# Altium PCB Science-Rev02 - reroute.PcbDoc (continued)
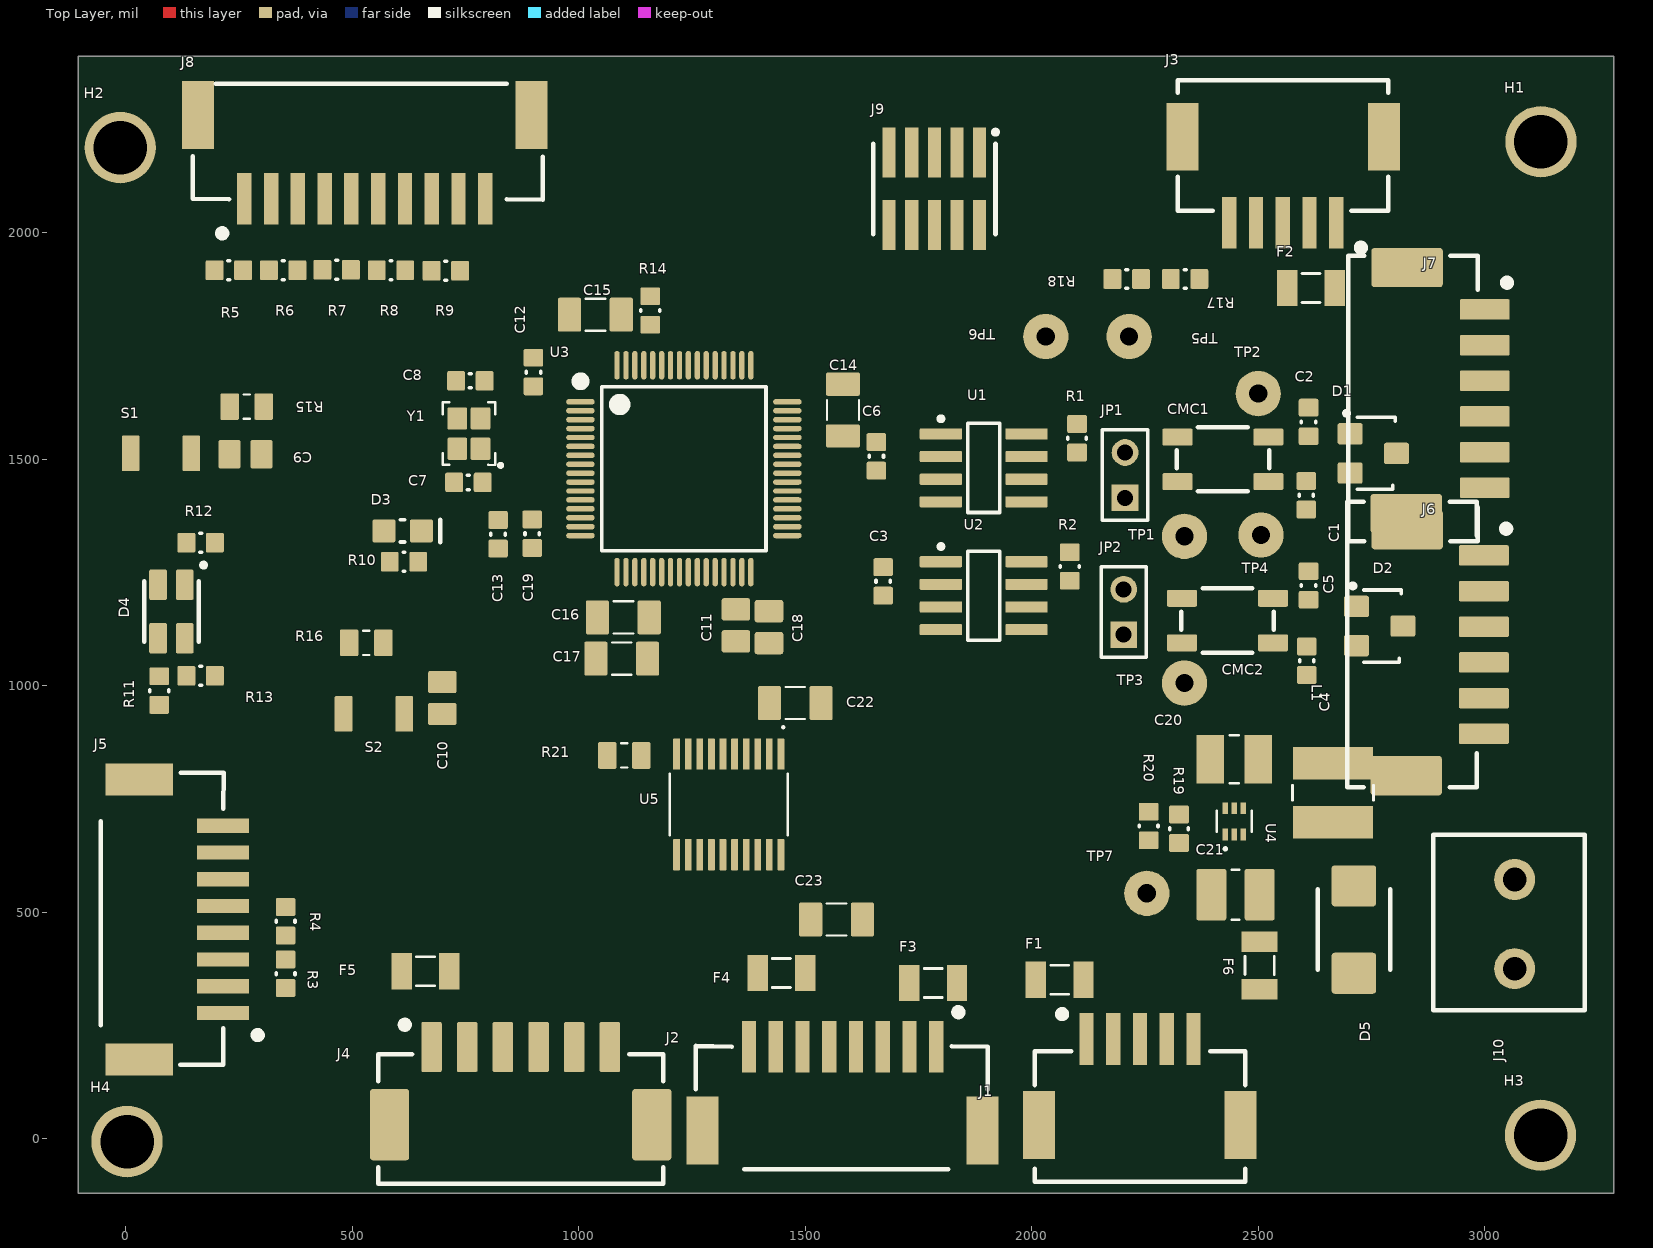
[diagram p0: Top Layer view]
## Part data (continued)
C14 C15 C16 C17 C22 C23: "CAP CER 0.1UF 100V C0G/NP0 1206", Capacitance=0.1uF, Dielectric=C0G, Manufacturer=Murata, Manufacturer Part Number=GRM31C5C2A104JA01L, Supplier Part Number 1=490-16315-1-ND, Tolerance=5%, Voltage Rating (DC)=100V, Category="Ceramic Capacitors", ComponentLink1Description=https://psearch.en.murata.com:443/capacitor/product/GRM31C5C2A104JA01%23.pdf?src-supplier=IHS+Markit, ComponentLink1URL=https://psearch.en.murata.com:443/capacitor/product/GRM31C5C2A104JA01%23.pdf?src-supplier=IHS+Markit, ComponentLink2Description=https://search.murata.co.jp/Ceramy/image/img/A01X/G101/ENG/GRM31C5C2A104JA01-01.pdf?src-supplier=Digi-Key, ComponentLink2URL=https://search.murata.co.jp/Ceramy/image/img/A01X/G101/ENG/GRM31C5C2A104JA01-01.pdf?src-supplier=Digi-Key, ComponentLink3Description=http://search.murata.co.jp/Ceramy/image/img/A01X/G101/ENG/GRM31C5C2A104JA01-01.pdf?src-supplier=Digi-Key, ComponentLink3URL=http://search.murata.co.jp/Ceramy/image/img/A01X/G101/ENG/GRM31C5C2A104JA01-01.pdf?src-supplier=Digi-Key, Length=3.2mm, Pricing 1="1=0.69000, 10=0.48900, 50=0.36940, 100=0.32180, 500=0.23838, 1000=0.20261 (USD)", RoHS=No, Stock 1=18337, Supplier 1=Digi-Key, Thickness=1.6mm, Width=1.6mm
C19: "CAP CER 10000PF 16V X7R 0603", Case Code (Imperial)=0603, Case Code (Metric)=1608, Dielectric=X7R, Manufacturer 1=Yageo, Manufacturer Part Number 1=CC0603KRX7R7BB103, Package="0603 (1608 Metric)", Supplier Part Number 1=311-3369-1-ND, Voltage Rating=16V, Dimensions="0.063\" L x 0.031\" W (1.60mm x 0.80mm)", Mount="Surface Mount", Supplier 1=Digi-Key, Temperature Coefficient=X7R
C20: "CAP CER 22UF 25V X7R 1210", Capacitance=22uF, Manufacturer 1="Murata Electronics", Package="1210 (3225 Metric)", Supplier Part Number 1=490-14682-1-ND, Tolerance=±20%, Voltage=25V, Manufacturer Part Number 1=GRM32ER71E226ME15K, Supplier 1=Digi-Key
C21: "CAP CER 4.7UF 25V X8L 1210", Case Code (Imperial)=1210, Case Code (Metric)=3225, Dielectric=X8L, Manufacturer 1="Murata Electronics", Manufacturer Part Number 1=GCJ32EL81E475KA01L, Max Operating Temperature=150°C, Min Operating Temperature=-55°C, Package="1210 (3225 Metric)", Supplier Part Number 1=490-16465-1-ND, Tolerance=10%, Voltage Rating=25V, Mount="Surface Mount", Supplier 1=Digi-Key
CMC1 CMC2: "CMC 51uH 300MA 2LN SMD", Case/Package=SMD/SMT, Current=300mA, DC Resistance (DCR)=160mR, Inductance=51uH, Inductance Tolerance=50%, Manufacturer 1="Wurth Electronics", Manufacturer Part Number 1=744212510, Max Operating Temperature=105°C, Min Operating Temperature=-40°C, Supplier Part Number 1=732-3941-1-ND, Test Frequency=100kHz, Voltage Rating (DC)=80V, ComponentLink7Description=https://datasheet.ciiva.com/6216/744212510-6216348.pdf?src-supplier=Digi-Key, ComponentLink7URL=https://datasheet.ciiva.com/6216/744212510-6216348.pdf?src-supplier=Digi-Key, ComponentLink8Description=https://datasheet.ciiva.com/7764/1735560-7764951.pdf?src-supplier=Element14, ComponentLink8URL=https://datasheet.ciiva.com/7764/1735560-7764951.pdf?src-supplier=Element14, Core Material=Ferrite, Current Rating=300mA, Depth=3.6mm, Height=1.65mm, Impedance=300R, Length=6.5mm, Max DC Current=300mA, Mount="Surface Mount", Number of Lines=2, Number of Pins=4, REACH SVHC="No SVHC", Supplier 1=Digi-Key, Termination=SMD/SMT, Tolerance=50%, Width=0.142inch
D1 D2: "TVS DIODE 24V 41V SOT323-3", Manufacturer 1="Nexperia USA Inc.", Manufacturer Part Number 1=PESD2CAN,215, Package="SC-70, SOT-323", Supplier Part Number 1=1727-3891-1-ND, Mount="Surface Mount", Supplier 1=Digi-Key
D3: library part DIO_LED_G, "LED GREEN DIFFUSED 0805 SMD", Forward Voltage Drop=2.2V, Manufacturer 1=OSRAM, Package="0805 (2012 Metric)", Supplier Part Number 1=475-1410-1-ND, Manufacturer Part Number 1="LG R971-KN-1", Mount="Surface Mount", Supplier 1=Digi-Key
D4: "LED RGB DIFFUSED 4PLCC SMD", Case/Package=PLCC, Color=Blue,Green,Red, Forward Voltage=3.1V, Lens Color=White, Manufacturer 1=Broadcom, Manufacturer Part Number 1=ASMB-MTB1-0A3A2, Supplier Part Number 1=516-3280-1-ND, Test Current=20mA, ComponentLink1Description=http://www.farnell.com/datasheets/2111106.pdf?src-supplier=Farnell, ComponentLink1URL=http://www.farnell.com/datasheets/2111106.pdf?src-supplier=Farnell, ComponentLink2Description=https://docs.broadcom.com/docs/AV02-4194EN?src-supplier=Digi-Key, ComponentLink2URL=https://docs.broadcom.com/docs/AV02-4194EN?src-supplier=Digi-Key, ComponentLink3Description=http://www.farnell.com/datasheets/1801564.pdf?src-supplier=Element14, ComponentLink3URL=http://www.farnell.com/datasheets/1801564.pdf?src-supplier=Element14, ComponentLink4Description=http://www.farnell.com/datasheets/2111106.pdf?src-supplier=Newark, ComponentLink4URL=http://www.farnell.com/datasheets/2111106.pdf?src-supplier=Newark, Dominant Wavelength=470nm, Height=1.9mm, Length=3.2mm, Lens Style=Round, Lens Transparency=Diffused, Luminous Intensity=350mcd, Mount="Surface Mount", Number of Pins=4, Packaging="Cut Tape", Pricing 1="1=0.60000, 10=0.47100, 100=0.30210, 500=0.25980, 1000=0.20059 (USD)", REACH SVHC="No SVHC", RoHS=Yes, Stock 1=142531, Supplier 1=Digi-Key, Viewing Angle=115°, Width=2.8mm
D5: "TVS DIODE 5V 9.2V DO214AA", Breakdown Voltage=7.25V, Case/Package=SMB, Clamping Voltage=9.2V, Leakage Current=800uA, Manufacturer 1=Bourns, Manufacturer Part Number 1=SMBJ5.0A, Max Operating Temperature=150°C, Max Power Dissipation=600W, Max Surge Current=100A, Min Breakdown Voltage=6.4V, Min Operating Temperature=-55°C, Operating Supply Voltage=3.5V, Package Quantity=1, Peak Pulse Current=65.2A, Power Line Protection=No, Reverse Standoff Voltage=5V, Supplier Part Number 1=SMBJ5.0ABCT-ND, Test Current=10mA, ComponentLink1Description=https://datasheet.ciiva.com/25624/0900766b81122151-25624859.pdf?src-supplier=RSComponents, ComponentLink1URL=https://datasheet.ciiva.com/25624/0900766b81122151-25624859.pdf?src-supplier=RSComponents, ComponentLink2Description=https://datasheet.ciiva.com/5749/1677318-5749456.pdf?src-supplier=Farnell, ComponentLink2URL=https://datasheet.ciiva.com/5749/1677318-5749456.pdf?src-supplier=Farnell, ComponentLink3Description=https://datasheet.ciiva.com/334/smbj-334066.pdf?src-supplier=Digi-Key, ComponentLink3URL=https://datasheet.ciiva.com/334/smbj-334066.pdf?src-supplier=Digi-Key, ComponentLink4Description=https://datasheet.ciiva.com/17413/smbj-17413462.pdf?src-supplier=Avnet+Europe, ComponentLink4URL=https://datasheet.ciiva.com/17413/smbj-17413462.pdf?src-supplier=Avnet+Europe, ComponentLink5Description=https://datasheet.ciiva.com/3021/smbj-3021451.pdf?src-supplier=Avnet, ComponentLink5URL=https://datasheet.ciiva.com/3021/smbj-3021451.pdf?src-supplier=Avnet, ComponentLink6Description=https://datasheet.ciiva.com/3021/smbj-3021452.pdf?src-supplier=Avnet, ComponentLink6URL=https://datasheet.ciiva.com/3021/smbj-3021452.pdf?src-supplier=Avnet, ComponentLink8Description=https://datasheet.ciiva.com/30094/smbj-30094061.pdf?src-supplier=Onlinecomponents.com, ComponentLink8URL=https://datasheet.ciiva.com/30094/smbj-30094061.pdf?src-supplier=Onlinecomponents.com, ComponentLink9Description=https://datasheet.ciiva.com/334/smbj-334064.pdf?src-supplier=Digi-Key, ComponentLink9URL=https://datasheet.ciiva.com/334/smbj-334064.pdf?src-supplier=Digi-Key, ComponentLink10Description=https://datasheet.ciiva.com/334/smbj-334065.pdf?src-supplier=Digi-Key, ComponentLink10URL=https://datasheet.ciiva.com/334/smbj-334065.pdf?src-supplier=Digi-Key, ComponentLink11Description=https://datasheet.ciiva.com/4510/smbj-51809-4510005.pdf?src-supplier=Mouser, ComponentLink11URL=https://datasheet.ciiva.com/4510/smbj-51809-4510005.pdf?src-supplier=Mouser, ComponentLink12Description=https://datasheet.ciiva.com/8031/1677318-8031160.pdf?src-supplier=Element14, ComponentLink12URL=https://datasheet.ciiva.com/8031/1677318-8031160.pdf?src-supplier=Element14, ComponentLink13Description=https://datasheet.ciiva.com/48712/001056320-da-01-en-tvs-diode-smbj5-0a-do-214aa-bou-48712572.pdf?src-supplier=Conrad, ComponentLink13URL=https://datasheet.ciiva.com/48712/001056320-da-01-en-tvs-diode-smbj5-0a-do-214aa-bou-48712572.pdf?src-supplier=Conrad, Composition=Zener, Direction=Unidirectional, Element Configuration=Single, ESD Protection=Yes, Height=2.42mm, Length=4.57mm, Max Breakdown Voltage=7.25V, Max Reverse Leakage Current=800uA, Mount="Surface Mount", Number of Channels=1, Number of Elements=1, Number of Pins=2, Number of Unidirectional Channels=1, Packaging="Tape and Reel", Peak Pulse Power=600W, Polarity=Unidirectional, Pricing 1="1=0.39000, 10=0.29300, 25=0.26440, 100=0.13950, 250=0.13804, 500=0.12362, 1000=0.09620 (USD)", Radiation Hardening=No, REACH SVHC="No SVHC", Reverse Breakdown Voltage=6.4V, RoHS=Yes, Stock 1=3797, Supplier 1=Digi-Key, Termination=SMD/SMT, Width=3.94mm
F1 F2 F5: "FUSE SMD 250mA 125V", Case Code (Imperial)=1206, Case Code (Metric)=3216, Current=250mA, DC Cold Resistance=31mR, Fuse Current=15A, Manufacturer 1=Littelfuse, Manufacturer Part Number 1=0466.250NR, Manufacturer Part Number 2=0324015.HXP, Max Operating Temperature=90°C, Min Operating Temperature=-55°C, Power Dissipation=157.5mW, Resistance=5.05mR, Supplier Part Number 1=F1452CT-ND, Voltage Rating (AC)=125V, Working Voltage=250V, Approvals=UL,CSA, Case/Package=1206, Current Rating=250mA, Depth=1.52mm, Diameter=6.985mm, Fuse Type="Board Mount (Cartridge Style Excluded)", Height=0.023inch, Housing Material=Ceramic, Length=3.18mm, Manufacturer 2=Littelfuse, Mount="Surface Mount", Pricing 2="1=1.74000, 5=1.65600, 10=1.57300, 50=1.26960, 100=1.07640, 250=1.04880, 500=0.88320, 1000=0.78660, 5000=0.69000 (USD)", REACH SVHC=Unknown, Stock 2=64, Supplier 1=Digi-Key, Supplier 2=Digi-Key, Supplier Part Number 2=F1870-ND, Termination=Axial, Voltage Rating (DC)=125V, Width=0.06inch
F3 F4: "FUSE SMD 1.5A 63V", Case Code (Imperial)=1206, Case Code (Metric)=3216, Current=1.5A, DC Cold Resistance=31mR, Manufacturer 1=Littelfuse, Manufacturer Part Number 1=046601.5NR, Max Operating Temperature=90°C, Min Operating Temperature=-55°C, Power Dissipation=157.5mW, Supplier Part Number 1=F1462CT-ND, Voltage Rating (AC)=63V, Approvals=UL,CSA, Case/Package=1206, Current Rating=1.5A, Depth=1.52mm, Fuse Type="Board Mount (Cartridge Style Excluded)", Height=0.023inch, Housing Material=Ceramic, Length=3.18mm, Mount="Surface Mount", Supplier 1=Digi-Key, Voltage Rating (DC)=63V, Width=0.06inch
F6: "FUSE SMD 2A 63V", Case Code (Imperial)=1206, Case Code (Metric)=3216, Current=2A, DC Cold Resistance=31mR, Manufacturer 1=Littelfuse, Manufacturer Part Number 1=0466002.NRHF, Max Operating Temperature=90°C, Min Operating Temperature=-55°C, Power Dissipation=157.5mW, Supplier Part Number 1=F5696CT-ND, Voltage Rating (AC)=63V, Approvals=UL,CSA, Case/Package=1206, Current Rating=2A, Depth=1.52mm, Fuse Type="Board Mount (Cartridge Style Excluded)", Height=0.023inch, Housing Material=Ceramic, Length=3.18mm, Mount="Surface Mount", Supplier 1=Digi-Key, Voltage Rating (DC)=63V, Width=0.06inch
H1 H2 H3 H4: "6cm x 6cm"
J1 J3: "CONN HEADER SMD RIGHT ANGLE 1.5MM PITCH", Current Rating=2A, Manufacturer 1=Molex, Manufacturer Part Number 1=5025850570, Supplier Part Number 1=WM14469CT-ND, Connector Type="Receptacle,Center Strip Contact", Mount="Surface Mount", Number of Circuits=5, Number of Contacts=5, Number of Positions=5, Number of Rows=1, Orientation="Right Angle", Supplier 1=Digi-Key, Termination=Solder
J2 J5: "CONN HEADER SMD RIGHT ANGLE 1.5 MM PITCH", Case/Package=SIL, Color=Beige, Contact Resistance=20mR, Current Rating=2A, Manufacturer=Molex, Manufacturer Part Number=5025850870, Max Operating Temperature=85°C, Min Operating Temperature=-40°C, Supplier Part Number 1=WM14471CT-ND, Voltage Rating=100V, Category="Headers and Wire Housings", Connector Type="Receptacle,Center Strip Contact", Contact Gender=Female, Contact Material="Copper,Copper Alloy,Tin", Contact Plating=Tin, Depth=7.3mm, Fastening Type=Latch, Gender=Receptacle, Glow Wire Compliant=Non-compliant, Housing Color=Beige, Housing Material=Resin, Length=16.3mm, Mount="Surface Mount", Number of Circuits=8, Number of Contacts=8, Number of Positions=8, Number of Rows=1, Orientation="Right Angle", Pitch=1.5mm, REACH SVHC=Unknown, Supplier 1=Digi-Key, Termination=Solder
J4 J6 J7: "CONN HEADER SMD RIGHT ANGLE 2MM PITCH", Color=Natural, Current Rating=3A, Flammability Rating="UL94 V-0", Insulation Resistance=1GR, Manufacturer 1=Molex, Manufacturer Part Number 1=502494-0670, Max Operating Temperature=85°C, Max Voltage Rating (AC)=250V, Min Operating Temperature=-25°C, Supplier Part Number 1=WM2283CT-ND, ComponentLink7Description=https://datasheet.ciiva.com/30242/101355024940670-pcb-receptacles-30242550.pdf?src-supplier=Onlinecomponents.com, ComponentLink7URL=https://datasheet.ciiva.com/30242/101355024940670-pcb-receptacles-30242550.pdf?src-supplier=Onlinecomponents.com, ComponentLink8Description=https://datasheet.ciiva.com/755/5024940670-sd-755789.pdf?src-supplier=Digi-Key, ComponentLink8URL=https://datasheet.ciiva.com/755/5024940670-sd-755789.pdf?src-supplier=Digi-Key, Connector Type=Receptacle,Forked, Contact Gender=Female, Contact Material="Copper Alloy", Contact Plating=Tin, Depth=6.85mm, Fastening Type=Latch, Gender=Receptacle, Glow Wire Compliant=Non-compliant, Housing Color=Natural, Housing Material=PBT, Length=16mm, Material=Polybutylene, Max Voltage Rating (DC)=250V, Mount="Surface Mount", Number of Circuits=6, Number of Contacts=6, Number of Positions=6, Number of Rows=1, Orientation="Right Angle", Pitch=2mm, REACH SVHC=Unknown, Supplier 1=Digi-Key, Termination=Solder, Voltage Rating=250V
J8: "CONN HEADER SMD RIGHT ANGLE 1.5 MM PITCH", Case/Package=SIL, Color=Beige, Contact Resistance=20mR, Current Rating=2A, Manufacturer 1=Molex, Manufacturer Part Number 1=502585-1070, Max Operating Temperature=85°C, Min Operating Temperature=-40°C, Supplier Part Number 1=WM14472CT-ND, Voltage Rating=100V, Connector Type="Receptacle,Center Strip Contact", Contact Gender=Female, Contact Material="Copper Alloy,Copper,Tin", Contact Plating=Tin, Depth=7.3mm, Fastening Type=Latch, Gender=Receptacle, Glow Wire Compliant=Non-compliant, Housing Color=Beige, Housing Material=Resin, Length=19.3mm, Mount="Surface Mount", Number of Circuits=10, Number of Contacts=10, Number of Positions=10, Number of Rows=1, Orientation="Right Angle", Pitch=1.5mm, REACH SVHC=Unknown, Supplier 1=Digi-Key, Termination=Solder
J9: "Board Connector, 10 Contact(s), 2 Row(s), Male, Straight, 0.05 inch Pitch, Surface Mount Terminal, Locking", Color=Black, Manufacturer 1=Samtec, Manufacturer Part Number 1=FTSH-105-01-F-DV-K, Max Current Rating=1.75A, Max Operating Temperature=125°C, Min Operating Temperature=-55°C, Package Quantity=1, Supplier Part Number 1=SAM8796-ND, Category="Headers and Wire Housings", ComponentLink1Description=https://datasheet.ciiva.com:443/pdfs/VipMasterIC/IC/SAMI/SAMI-S-A0003531380/SAMI-S-A0003531380-1.pdf?src-supplier=IHS+Markit, ComponentLink1URL=https://datasheet.ciiva.com:443/pdfs/VipMasterIC/IC/SAMI/SAMI-S-A0003531380/SAMI-S-A0003531380-1.pdf?src-supplier=IHS+Markit, ComponentLink2Description=https://datasheet.ciiva.com/19461/2046846-19461026.pdf?src-supplier=Jameco, ComponentLink2URL=https://datasheet.ciiva.com/19461/2046846-19461026.pdf?src-supplier=Jameco, ComponentLink3Description=https://datasheet.ciiva.com/16657/ftsh-mt-16657371.pdf?src-supplier=Avnet+Europe, ComponentLink3URL=https://datasheet.ciiva.com/16657/ftsh-mt-16657371.pdf?src-supplier=Avnet+Europe, ComponentLink4Description=https://datasheet.ciiva.com/15195/getdatasheetpartid-133463-15195260.pdf?src-supplier=Verical, ComponentLink4URL=https://datasheet.ciiva.com/15195/getdatasheetpartid-133463-15195260.pdf?src-supplier=Verical, ComponentLink5Description=https://datasheet.ciiva.com/738/ftsh-1xx-xx-xxx-dv-xxx-mkt-738998.pdf?src-supplier=Digi-Key, ComponentLink5URL=https://datasheet.ciiva.com/738/ftsh-1xx-xx-xxx-dv-xxx-mkt-738998.pdf?src-supplier=Digi-Key, ComponentLink6Description=https://datasheet.ciiva.com/10245/ftsh-mt-10245273.pdf?src-supplier=Avnet, ComponentLink6URL=https://datasheet.ciiva.com/10245/ftsh-mt-10245273.pdf?src-supplier=Avnet, Connector Type="Male Pin", Contact Material=Copper,Bronze, Contact Mating Length=0.12inch, Contact Plating=Gold, Depth=3.43mm, Height=3.3mm, Housing Color=Black, Housing Material=Polymer, Lead Free="Lead Free", Length=15.2mm, Mount="Surface Mount", Number of Contacts=10, Number of Positions=10, Number of Rows=2, Orientation=Straight, Packaging=Rail/Tube, Pitch=1.27mm, Pricing 1="1=2.90000, 10=2.78400, 100=2.32000, 500=1.97200, 1000=1.68200, 5000=1.50800 (USD)", Radiation Hardening=No, RoHS=Yes, Row Spacing=0.05inch, Stock 1=19926, Supplier 1=Digi-Key, Termination=Solder
J10: library part CON_2M_TERM, "TERM BLK 2POS SIDE ENTRY 5MM", Color=Green, Current=18A, Current Rating=17.5A, Flammability Rating="UL94 V-0", Manufacturer 1="Phoenix Contact", Max Current Rating=16A, Max Supply Voltage=250V, Supplier Part Number 1=277-1667-ND, Voltage=300V, Voltage Rating (DC)=320V, Approvals=UL, Connector Type=Screw, Contact Material=Copper,Tin, Depth=9mm, Height=11.3mm, Housing Color=Green, Housing Material=Polyamide, Insulation Material=Nylon, Length=9mm, Manufacturer Part Number 1=1935161, Material=Nylon, Mount="Through Hole", Number of Circuits=2, Number of Contacts=2, Number of Levels=1, Number of Pins=2, Number of Poles=2, Number of Positions=2, Number of Positions Per Level=2, Number of Rows=1, Orientation=Straight, Pitch=5mm, REACH SVHC=Unknown, Supplier 1=Digi-Key, Termination=Solder, Voltage Rating=250V, Weight=0.067021oz, Width=14.9mm, Wire Gauge (Max)=26AWG, Wire Gauge (Min)=12AWG, Wire/Cable Gauge=26AWG
JP1 JP2: "HEADER 2X1", Manufacturer 1="TE Connectivity", Manufacturer Part Number 1=87220-2, Supplier Part Number 1=A26542-ND, Mount="Through Hole", Supplier 1=Digi-Key
L1: "FIXED IND 1UH 3.8A 33 MOHM SMD", Current Rating=3.8A, Manufacturer 1="Bourns Inc.", Manufacturer Part Number 1=SDR0403-1R0ML, Supplier Part Number 1=SDR0403-1R0MLCT-ND, Tolerance=±20%, Supplier 1=Digi-Key
R1 R2 R10 R12: "RES SMD 120 OHM 5% 1/10W 0603", Case Code (Imperial)=0603, Case Code (Metric)=1608, Manufacturer 1=Yageo, Manufacturer Part Number 1=RC0603JR-07120RL, Package="0603 (1608 Metric)", Supplier Part Number 1=311-120GRCT-ND, Tolerance=5%, Dimensions="0.063\" L x 0.031\" W (1.60mm x 0.80mm)", Mount="Surface Mount", Supplier 1=Digi-Key
R3 R4 R5 R6 R7 R8 R9: "RES SMD 10K OHM 5% 1/10W 0603", Case Code (Imperial)=0603, Case Code (Metric)=1608, Manufacturer 1=Yageo, Manufacturer Part Number 1=RC0603JR-0710KL, Package="0603 (1608 Metric)", Supplier Part Number 1=311-10KGRCT-ND, Tolerance=5%, Dimensions="0.063\" L x 0.031\" W (1.60mm x 0.80mm)", Mount="Surface Mount", Supplier 1=Digi-Key
R11 R13: "RES SMD 20 OHM 5% 1/10W 0603", Case Code (Imperial)=0603, Case Code (Metric)=1608, Manufacturer 1=Yageo, Manufacturer Part Number 1=RC0603JR-0720RL, Package="0603 (1608 Metric)", Supplier Part Number 1=311-20GRCT-ND, Tolerance=5%, Dimensions="0.063\" L x 0.031\" W (1.60mm x 0.80mm)", Mount="Surface Mount", Supplier 1=Digi-Key
R14 R17 R18: "RES SMD 1K OHM 5% 1/10W 0603", Case Code (Imperial)=0603, Case Code (Metric)=1608, Manufacturer 1=Yageo, Manufacturer Part Number 1=RC0603JR-071KL, Package="0603 (1608 Metric)", Supplier Part Number 1=311-1.0KGRCT-ND, Tolerance=5%, Dimensions="0.063\" L x 0.031\" W (1.60mm x 0.80mm)", Mount="Surface Mount", Supplier 1=Digi-Key
R15 R16: "RES SMD 10K OHM 1% 1/8W 0805", Case Code (Imperial)=0805, Case Code (Metric)=2012, Manufacturer 1=Yageo, Manufacturer Part Number 1=RC0805FR-0710KL, Max Operating Temperature=155°C, Min Operating Temperature=-55°C, Package="0805 (2012 Metric)", Power Rating=125mW, Resistance=10K, Supplier Part Number 1=311-10.0KCRCT-ND, Tolerance=1%, Supplier 1=Digi-Key, Termination=SMD/SMT
R19: "RES SMD 453K OHM 1% 1/10W 0603", Case Code (Imperial)=0603, Case Code (Metric)=1608, Manufacturer 1="Panasonic Electronic Components", Manufacturer Part Number 1=ERJ-3EKF4533V, Package="0603 (1608 Metric)", Supplier Part Number 1=P453KHCT-ND, Tolerance=1%, Dimensions="0.063\" L x 0.031\" W (1.60mm x 0.80mm)", Mount="Surface Mount", Supplier 1=Digi-Key
R20: "RES SMD 100K OHM 1% 1/10W 0603", Case Code (Imperial)=0603, Case Code (Metric)=1608, Case/Package=0805, Manufacturer 1=Yageo, Manufacturer 2=Vishay, Manufacturer Part Number 1=RC0603FR-07100KL, Manufacturer Part Number 2=CRCW080510K2FKEA, Max Operating Temperature=155°C, Max Power Dissipation=125mW, Min Operating Temperature=-55°C, Package="0603 (1608 Metric)", Resistance=10.2kR, Supplier Part Number 1=311-100KHRCT-ND, Temperature Coefficient=100ppm/°C, Tolerance=1%, Voltage Rating=150V, ComponentLink7Description=https://datasheet.ciiva.com/22702/1697337-22702902.pdf?src-supplier=Element14, ComponentLink7URL=https://datasheet.ciiva.com/22702/1697337-22702902.pdf?src-supplier=Element14, ComponentLink8Description=https://datasheet.ciiva.com/16204/dcrcwe3-16204135.pdf?src-supplier=Future+Electronics, ComponentLink8URL=https://datasheet.ciiva.com/16204/dcrcwe3-16204135.pdf?src-supplier=Future+Electronics, ComponentLink9Description=https://datasheet.ciiva.com/16852/dcrcwe3-16852825.pdf?src-supplier=Avnet+Europe, ComponentLink9URL=https://datasheet.ciiva.com/16852/dcrcwe3-16852825.pdf?src-supplier=Avnet+Europe, ComponentLink10Description=https://datasheet.ciiva.com/7663/1697337-7663915.pdf?src-supplier=Element14, ComponentLink10URL=https://datasheet.ciiva.com/7663/1697337-7663915.pdf?src-supplier=Element14, ComponentLink11Description=https://datasheet.ciiva.com/7663/1697337-7663916.pdf?src-supplier=Element14, ComponentLink11URL=https://datasheet.ciiva.com/7663/1697337-7663916.pdf?src-supplier=Element14, ComponentLink12Description=https://datasheet.ciiva.com/22674/1825492-22674606.pdf?src-supplier=Element14, ComponentLink12URL=https://datasheet.ciiva.com/22674/1825492-22674606.pdf?src-supplier=Element14, ComponentLink13Description=https://datasheet.ciiva.com/3258/dcrcwe3-3258031.pdf?src-supplier=Avnet, ComponentLink13URL=https://datasheet.ciiva.com/3258/dcrcwe3-3258031.pdf?src-supplier=Avnet, Composition="Thick Film", Contact Plating=Tin, Depth=1.25mm, Dimensions="0.063\" L x 0.031\" W (1.60mm x 0.80mm)", Features="Automotive AEC-Q200", Height=0.45mm, Length=2mm, Military Standard=Not, Mount="Surface Mount", Number of Pins=2, Number of Terminations=2, Power Rating=125mW, Pricing 2="1=0.10000, 10=0.06200, 100=0.02540, 1000=0.01142, 2500=0.00991 (USD)", REACH SVHC=Unknown, Stock 2=7147, Supplier 1=Digi-Key, Supplier 2=Digi-Key, Supplier Part Number 2=541-10.2KCCT-ND, Termination=SMD/SMT, Voltage Rating (DC)=150V, Weight=0.000194oz, Width=0.049inch, Working Voltage=150V
R21: "RES SMD 4.7K OHM 5% 1/8W 0805", Case Code (Imperial)=0805, Case Code (Metric)=2012, Manufacturer 1=Yageo, Manufacturer Part Number 1=RC0805JR-074K7L, Max Operating Temperature=155°C, Min Operating Temperature=-55°C, Package="0805 (2012 Metric)", Power Rating=125mW, Resistance=4.7kR, Supplier Part Number 1=311-4.7KARCT-ND, Temperature Coefficient=100ppm/°C, Tolerance=5%, Voltage Rating=150V, Composition="Thick Film", Contact Plating=Tin,Lead,Matte, Depth=1.25mm, Length=2mm, Military Standard=Not, Mount="Surface Mount", REACH SVHC=Unknown, Supplier 1=Digi-Key, Termination=SMD/SMT
S1 S2: "Tactile Switch (Grey)", Manufacturer 1="Omron Electronics Inc-EMC Div", Manufacturer Part Number 1=B3U-1000P, Supplier Part Number 1=SW1020CT-ND, Mount="Surface Mount", Supplier 1=Digi-Key
TP1 TP2 TP3 TP4 TP5 TP6 TP7: "PC TEST POINT MINIATURE WHITE", Manufacturer 1="Keystone Electronics", Manufacturer Part Number 1=5002, Supplier Part Number 1=36-5002-ND, Mount="Through Hole", Supplier 1=Digi-Key
U1 U2: library part LTC2875, "IC TXRX CAN 4MBPS 8SO", Manufacturer 1="Linear Technologies", Manufacturer Part Number 1=LTC2875IS8#PBF, Package="8-SOIC (0.154\", 3.90mm Width)", Supplier Part Number 1=LTC2875IS8#PBF-ND, ComponentLink1Description=Datasheet, ComponentLink1URL=https://www.analog.com/media/en/technical-documentation/data-sheets/2875f.pdf, Mount="Surface Mount", Supplier 1=Digi-Key
U3: library part MCU_STM32F446RET6, "ARM Cortex-M4 32-bit MCU+FPU, 512 KB Flash, 128 KB Internal RAM, 50 I/Os, 64-Pin LQFP, -40 to 85 degC, Tray", I/Os (High Current)=50, Operating Frequency(F) (Processor speed) (MHz)=180, Package Description=LQFP64, Package Reference="64-Pin Low-profile Quad Flat Package, Body 10 x 10 mm, Pitch 0.5 mm", Supplier Part Number 1=497-15376-ND, Supply Voltage(Vcc) min (V)=1.7, ComponentLink1Description="Manufacturer URL", ComponentLink1URL=http://www.st.com/, ComponentLink2Description=Datasheet, ComponentLink2URL=http://www.st.com/st-web-ui/static/active/en/resource/technical/document/datasheet/DM00141306.pdf, Core="ARM Cortex-M4", D/A Converter=2, DatasheetVersion="Rev. 6", FLASH Size (Prog) (kB)=512, Internal RAM Size (kB)=128, Mounting Technology="Surface Mount", Packing=Tray, Supplier 1=Digi-Key
U4: "IC REG BUCK ADJUSTABLE 2A SOT563", Manufacturer 1="Texas Instruments", Package="SOT-563, SOT-666", Supplier Part Number 1=296-50407-1-ND, Switching Frequency=1.5MHz, Iout=1A, Iout (Max)=2A, Manufacturer Part Number 1=TLV62568ADRLR, Supplier 1=Digi-Key, Vin (Max)=5.5V, Vin (Min)=2.5V, Vout (Max)=5.5V, Vout (Min/Fixed)=0.6V
U5: library part IC_LVL_SHIFTER_8_CH, "IC BIDIRECTIONAL LEVEL SHIFTER 8 CHANNEL 20TSSOP", Supplier Part Number 1=296-23011-2-ND, ComponentLink1Description="New link", Manufacturing Part Number=TXS0108EPWR, Supplier 1=Digi-Key
Y1: "CRYSTAL 25.0000MHZ 12PF SMD", Case/Package=SMD/SMT, ESR (Equivalent Series Resistance)=80R, Frequency=25MHz, Frequency Stability=15ppm, Frequency Tolerance=10ppm, Load Capacitance=12pF, Manufacturer 1="Kyocera AVX", Manufacturer Part Number 1=CX2520DB25000H0FLJC1, Max Operating Temperature=85°C, Min Operating Temperature=-30°C, Ratings=AEC-Q200, Supplier Part Number 1=1253-1724-1-ND, Height=0.022inch, Length=0.098inch, Mount="Surface Mount", Supplier 1=Digi-Key, Width=0.079inch

## Nets (pads, with @x,y where several pads share a name; then routed paths per layer and width w, separated by ;. In a path a pad name is that pad's centre, name@x,y a point inside that pad or via, vN(x,y) a via of type N, cw(c..) or ccw(c..) an arc to the next point about the centre after c; other vN are vias at no path point)
3V3: C3.1 C6.1 C12.2 C13.2 C14.2 C15.2 C16.2 C17.2 C18.2 C19.2 C20.2 C22.2 D4.4 F1.2 F2.2 J9.1 L1.2 R5.2 R6.2 R7.2 R8.2 R9.2 R15.2 R16.2 R17.2 R18.2 R19.2 U1.3 U2.3 U3.1 U3.13 U3.19 U3.32 U3.48 U3.64 U5.2
5V0: C21.2 C23.2 F3.1 F4.1 F5.2 F6.2 U4.3 U4.5 U5.19
CAN1_N: C1.2 CMC1.5 TP1.1
CAN1_P: C2.2 CMC1.4 TP2.1
CAN1_RX: U1.4 U3.44
CAN1_TX: U1.1 U3.45
CAN2_N: C4.2 CMC2.5 TP3.1
CAN2_P: C5.2 CMC2.4 TP4.1
CAN2_RX: U2.4 U3.33
CAN2_TX: U2.1 U3.34
CANA_N: D1.1 J6.1 J6.5
CANA_P: D1.2 J6.2 J6.4
CANB_N: D2.1 J7.1 J7.5
CANB_P: D2.2 J7.2 J7.4
DIR_CENTRIFUGE: J5.1 U3.24
DIR_LIFT: J5.5 U3.25
GND: C1.1 C2.1 C3.2 C4.1 C5.1 C6.2 C7.1 C8.1 C9.1 C10.1 C11.1 C12.1 C13.1 C14.1 C15.1 C16.1 C17.1 C18.1 C19.1 C20.1 C21.1 C22.1 C23.1 D1.3 D2.3 D3.2 D5.2 J1.0 J1.4 J1.5 J2.0 J2.3 J2.4 J2.7 J2.8 J3.0 J3.1 J3.2 J4.0 J4.3 J4.6 J5.0 J5.3 J5.4 J5.7 J5.8 J6.0 J6.3 J6.6 J7.0 J7.3 J7.6 J8.0 J8.2 J8.4 J8.6 J8.8 J8.10 J9.3 J9.5 J10.1 R3.1 R4.1 R14.2 R20.1 R21.1 S1.2 S2.2 U1.2 U1.8 U2.2 U2.8 U3.12 U3.18 U3.31 U3.47 U3.63 U4.2 U5.11 Y1.2
I2C_SCL: J3.5 R18.1 TP6.1 U3.41
I2C_SDA: J3.4 R17.1 TP5.1 U3.40
JTDI: J9.8 U3.50
JTDO/TRACESWO: J9.6 U3.55
LED_1: R10.1 U3.8
LED_B_n: R11.2 U3.11
LED_G_n: R13.2 U3.10
LED_R_n: R12.1 U3.9
LIFT_ENC_CHANNEL_A_3V3: U3.58 U5.3
LIFT_ENC_CHANNEL_A_5V: J1.3 U5.18
LIFT_ENC_CHANNEL_B_3V3: U3.59 U5.4
LIFT_ENC_CHANNEL_B_5V: J1.2 U5.17
LIM_SW1: J8.1 R5.1 U3.27 U3.43
LIM_SW2: J8.3 R6.1
LIM_SW3: J8.5 R7.1 U3.42
LIM_SW4: J8.7 R8.1 U3.54
LIM_SW5: J8.9 R9.1 U3.53
NetC7_2: C7.2 U3.6 Y1.1
NetC8_2: C8.2 U3.5 Y1.3
NetC10_2: C10.2 R16.1 S2.1 U3.26
NetC11_2: C11.2 U3.30
NetCMC1_1: CMC1.1 JP1.1 U1.6
NetCMC1_3: CMC1.3 R1.1 U1.7
NetCMC2_1: CMC2.1 JP2.1 U2.6
NetCMC2_3: CMC2.3 R2.1 U2.7
NetD3_1: D3.1 R10.2
NetD4_1: D4.1 R12.2
NetD4_2: D4.2 R13.1
NetD4_3: D4.3 R11.1
NetD5_1: D5.1 F6.1 J10.2
NetF1_1: F1.1 J1.1
NetF2_1: F2.1 J3.3
NetF3_2: F3.2 J2.2
NetF4_2: F4.2 J2.6
NetF5_1: F5.1 J4.1
NetJP1_2: JP1.2 R1.2
NetJP2_2: JP2.2 R2.2
NetL1_1: L1.1 U4.4
NetR14_1: R14.1 U3.60
NetR19_1: R19.1 R20.2 TP7.1 U4.1
NetR21_2: R21.2 U5.10
NRST: C9.2 J9.10 R15.1 S1.1 U3.7
PWM_CENTRIFUGE: J5.2 R3.2 U3.23
PWM_LID_3V3: U3.29 U5.5
PWM_LID_5V: J2.1 U5.16
PWM_LIFT: J5.6 R4.2 U3.22
PWM_SHOVEL_3V3: U3.28 U5.6
PWM_SHOVEL_5V: J2.5 U5.15
SPI_MISO_3V3: U3.56 U5.7
SPI_MISO_5V: J4.5 U5.14
SPI_NSS_3V3: U3.20 U5.9
SPI_NSS_5V: J4.2 U5.12
SPI_SCK_3V3: U3.21 U5.8
SPI_SCK_5V: J4.4 U5.13
SWD_CLK: J9.4 U3.49
SWD_IO: J9.2 U3.46
UART_RX: U3.52
UART_TX: U3.51
pads on no net: H1.0 H2.0 H3.0 H4.0 J9.7 J9.9 U1.5 U2.5 U3.2 U3.3 U3.4 U3.14 U3.15 U3.16 U3.17 U3.35 U3.36 U3.37 U3.38 U3.39 U3.57 U3.61 U3.62 U4.6 U5.1 U5.20 Y1.4

## Text inside footprints (layer, text, board x,y; h text height)
L1: Mechanical 13 "*" at 2715,677 h50 r90